# Altium PCB breakout_brd_v0.PcbDoc
Units mil, origin at the board's own origin, x right, y up, seen from the top; angles counter-clockwise.
Board outline 3149.61 x 4300 mil, 2 copper layers (Top Layer, Bottom Layer); 12 components, 35 nets, 173 pads, 112 vias.
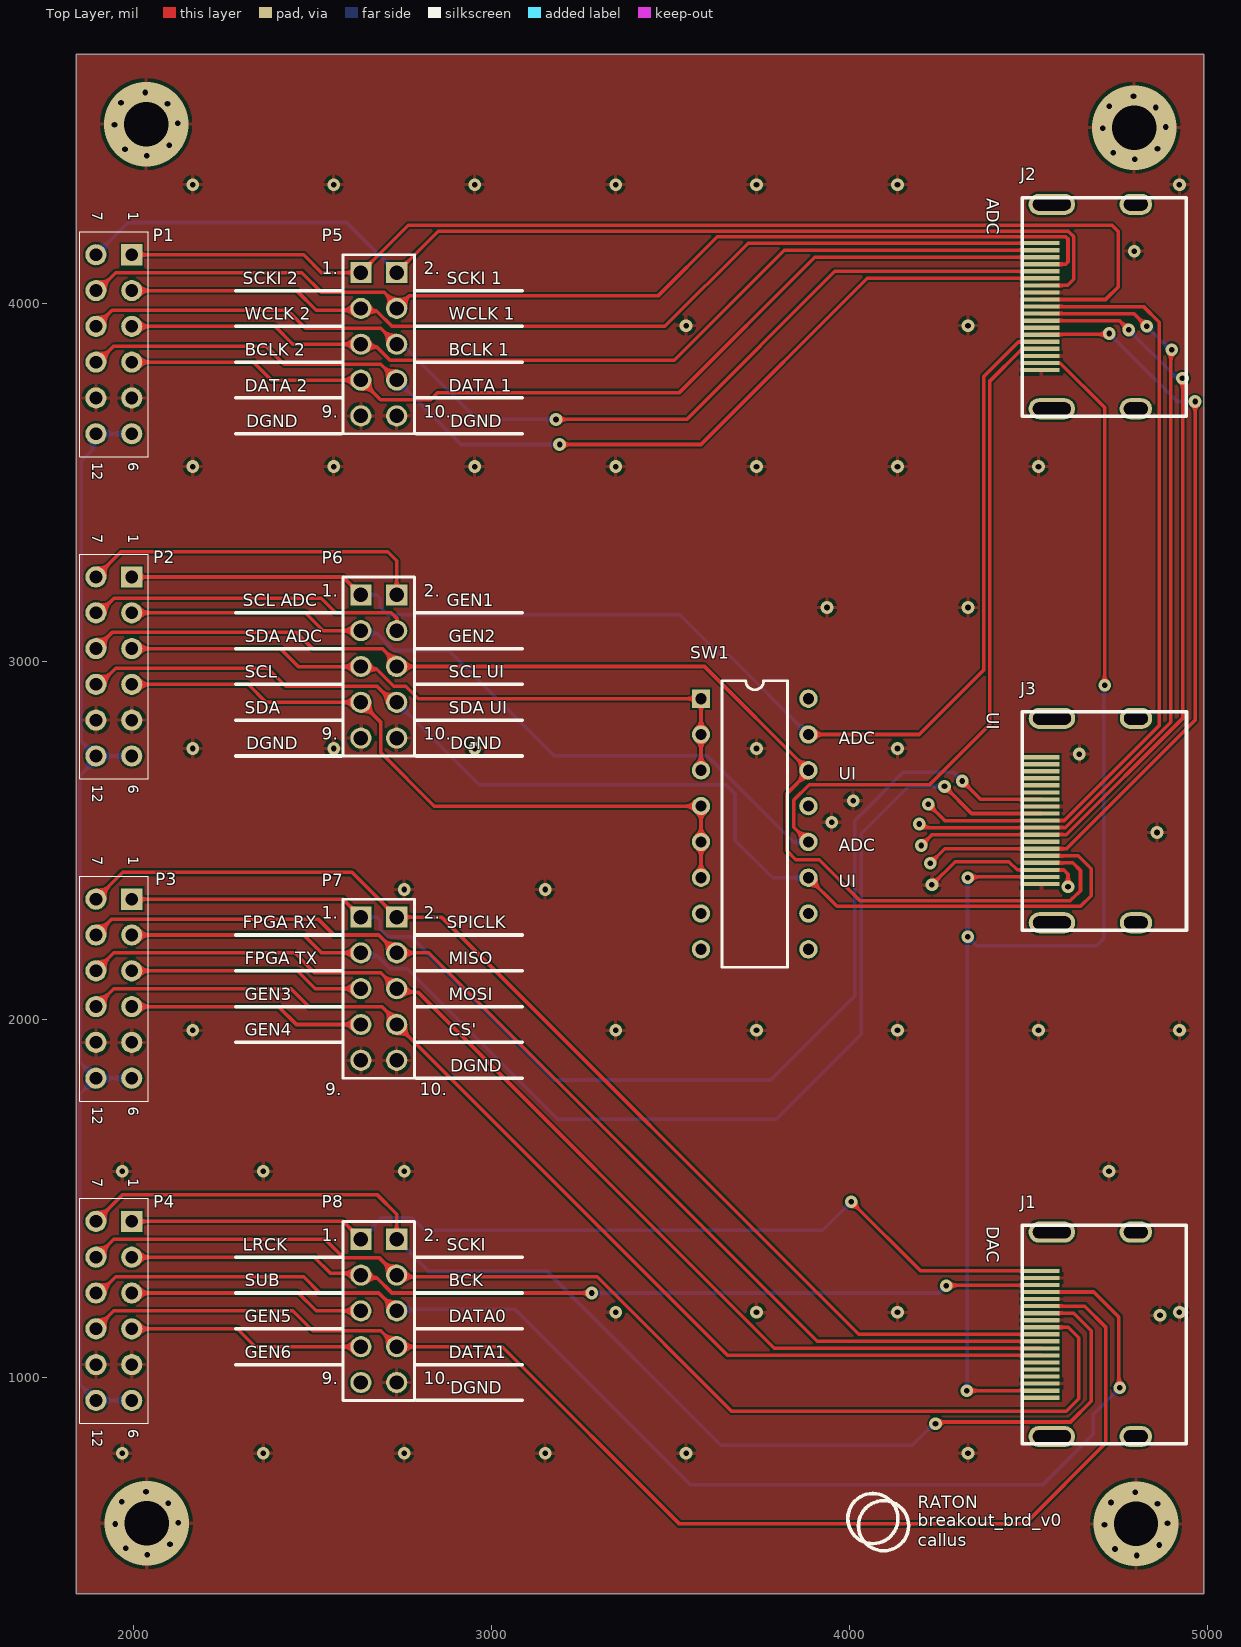
[diagram p0: Top Layer view]
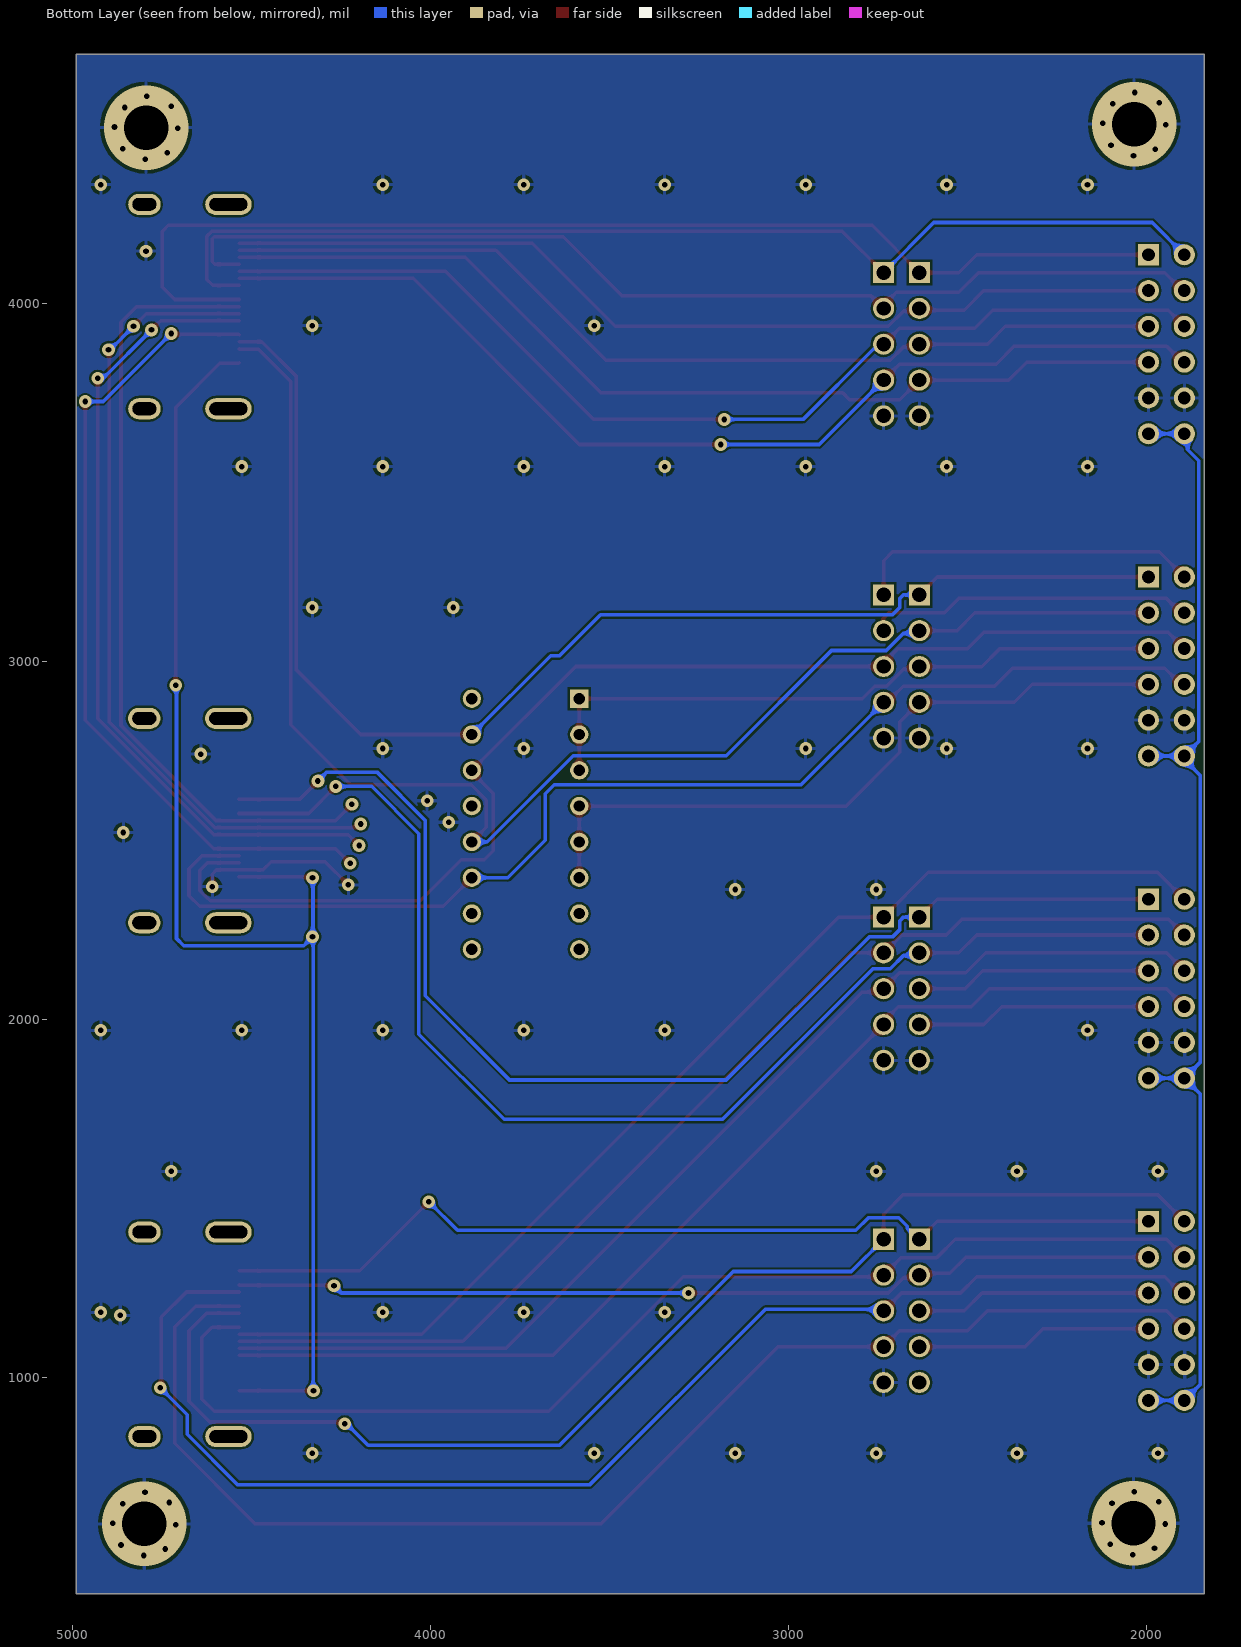
[diagram p1: Bottom Layer view, seen from below]
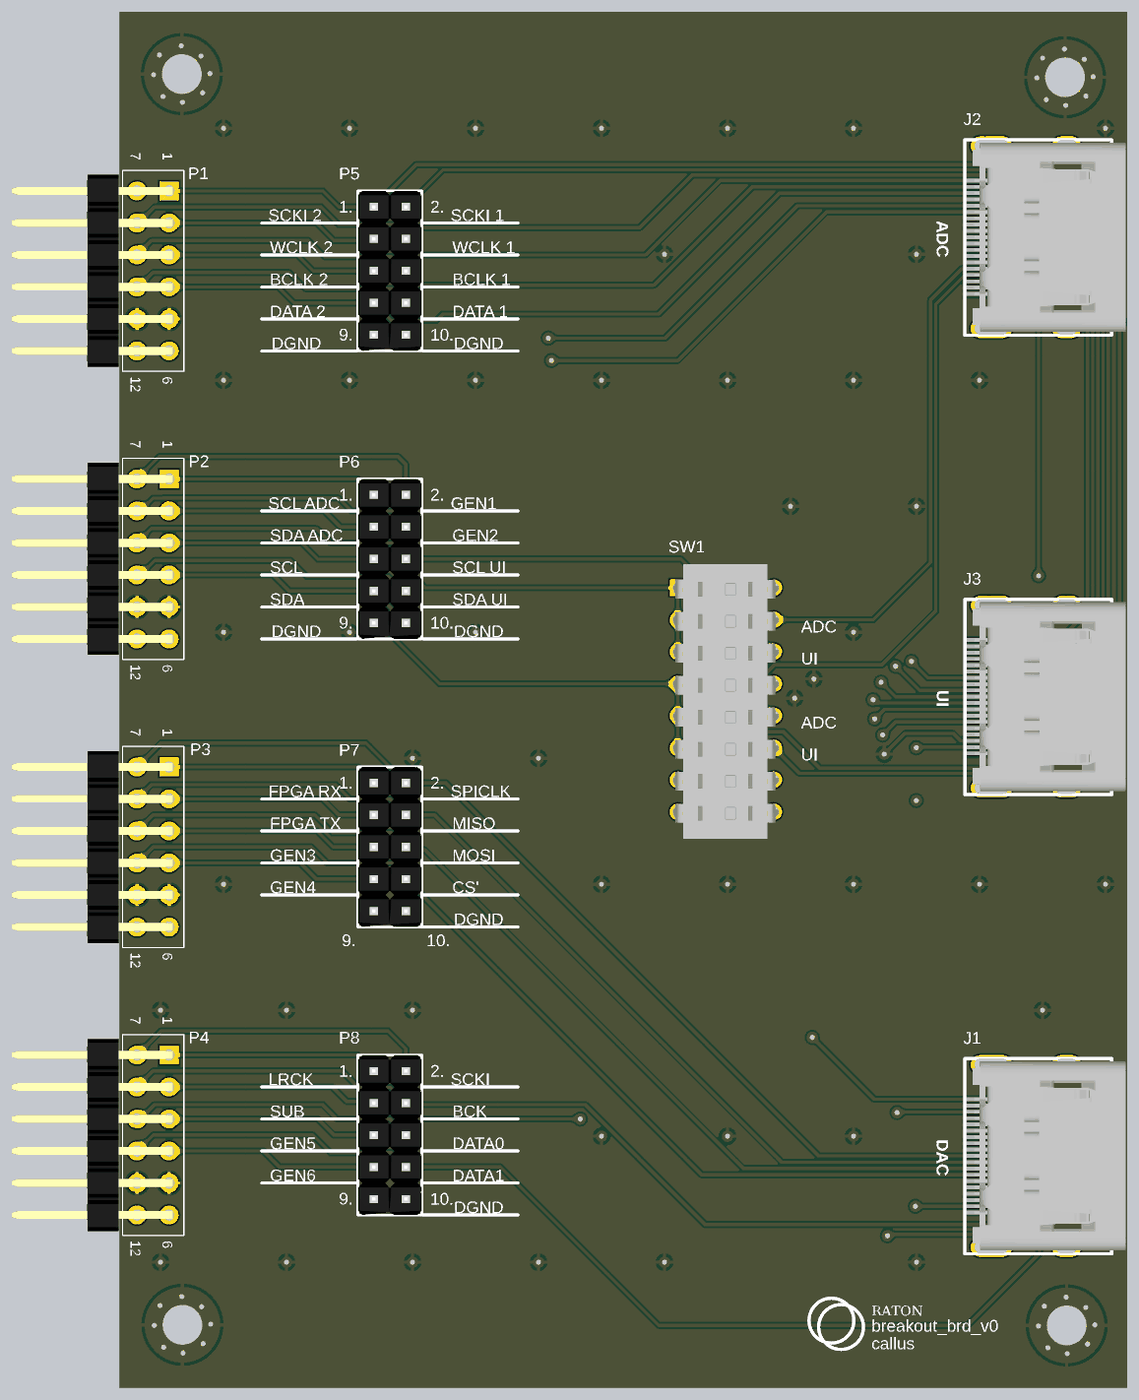
[diagram p2: 3D render of the assembled board from above, using the file's embedded part models]

## Layer stack, top to bottom
Top Solder: solder mask 0.4, Solder Resist, Dk 3.5
Top Layer: signal copper 1.4
Dielectric 1: dielectric 12.6, FR-4, Dk 4.8
Bottom Layer: signal copper 1.4
Bottom Solder: solder mask 0.4, Solder Resist, Dk 3.5

## Board outline
1840,395 1840,4695 4989.61,4695 4989.61,395

## Design rules (kind name [scope] priority, off if disabled: settings)
Clearance [All] p1: gap=6 ignorepadtopadclearanceinfootprint=TRUE except(0: Arc-Hole Track-Hole SMDPad-Hole THPad-Hole Via-Hole Fill-Hole Poly-Hole Region-Hole Text-Hole)
HoleSize [All] p1: absolutevalues=TRUE maxlimit=157.48 minlimit=11.81 maxpercent=80.000 minpercent=20.000
MinimumSolderMaskSliver [All] p1 off: minsoldermaskwidth=10
PolygonConnect [All] p1: connectstyle=Relief reliefconductorwidth=10 reliefentries=4 polygonreliefangle="90 Angle" airgapwidth=10
RoutingVias [All] p1: holewidth=28 width=50 viastyle="Through Hole" minholewidth=28 minwidth=50 maxholewidth=28 maxwidth=50
SilkToSilkClearance [All] p1 off: silktosilkclearance=10
SilkToSolderMaskClearance [IsPad] p1 off: minsilkscreentomaskgap=10 clearancetoexposedcopper=TRUE
SolderMaskExpansion [All] p1: expansion=4 istentingtop=FALSE
Width [All] p1: maxlimit=10 minlimit=10 preferedwidth=10
26 further rules are at their usual default settings.

## Components (designator, comment, footprint, x,y, rotation, side; value= is the part's Value field where it differs from the comment)
J1 "2086581051" 2086581051 4483.82,1119.68 r90 top locked
J2 "2086581051" 2086581051 4483.82,3990.31 r90 top locked
J3 "2086581051" 2086581051 4484.25,2554.57 r90 top locked
P1 "Header 6X2H_Flipped" HDR2X6H_Flipped 1995,4135 r270 top locked
P2 "Header 6X2H_Flipped" HDR2X6H_Flipped 1995,3235 r270 top locked
P3 "Header 6X2H_Flipped" HDR2X6H_Flipped 1995,2335 r270 top locked
P4 "Header 6X2H_Flipped" HDR2X6H_Flipped 1995,1435 r270 top locked
P5 "GENERIC 5x2 PINS HEADER MALE" "GENERIC 5PIN 2ROW HEADER 0" 2635,4085 r0 top locked
P6 "GENERIC 5x2 PINS HEADER MALE" "GENERIC 5PIN 2ROW HEADER 0" 2635,3185 r0 top locked
P7 "GENERIC 5x2 PINS HEADER MALE" "GENERIC 5PIN 2ROW HEADER 0" 2635,2285 r0 top
P8 "GENERIC 5x2 PINS HEADER MALE" "GENERIC 5PIN 2ROW HEADER 0" 2635,1385 r0 top
SW1 "210-8MS" 210-8MS 3585,2895 r0 top locked

## Footprints (in the part's own frame and the unit in brackets; to place one, negate y for a bottom-side part, rotate by r counter-clockwise, add the part's x,y. Pads: shape width x height; smd on the part's side, far side on the other; paste and mask are expansions set on the pad)
210-8MS [mm]
  rect 1.3x1.3 hole 0.8: 1(0,0)
  round 1.3 hole 0.8: 2(0,-2.54) 3(0,-5.08) 4(0,-7.62) 5(0,-10.16) 6(0,-12.7) 7(0,-15.24) 8(0,-17.78) 9(7.62,-17.78) 10(7.62,-15.24) 11(7.62,-12.7) 12(7.62,-10.16) 13(7.62,-7.62) 14(7.62,-5.08) 15(7.62,-2.54) 16(7.62,0)
  silkscreen extent 1.48,-19.05 6.14,1.27, body extent -0.51,-19.92 8.04,1.88, height 5.52
2086581051 [mm]
  rect 0.3x2.6 smd mask+0.05: 1(4.5,-1.3) 2(4,-1.3) 3(3.5,-1.3) 4(3,-1.3) 5(2.5,-1.3) 6(2,-1.3) 7(1.5,-1.3) 8(1,-1.3) 9(0.5,-1.3) 10(0,-1.3) 11(-0.5,-1.3) 12(-1,-1.3) 13(-1.5,-1.3) 14(-2,-1.3) 15(-2.5,-1.3) 16(-3,-1.3) 17(-3.5,-1.3) 18(-4,-1.3) 19(-4.5,-1.3)
  oval 1.5x2.3 hole 0.9 slot 1.7 at 90 deg: ""(-7.25,-8.02) ""(7.25,-8.02)
  oval 1.5x3.3 hole 0.9 slot 2.7 at 90 deg: ""(-7.25,-2.06) ""(7.25,-2.06)
  silkscreen extent -7.77,-11.6 7.72,0.05, body extent -7.5,-12.7 7.5,-0.55, height 6.21
"GENERIC 5PIN 2ROW HEADER 0" [mm] "Male Header, Pitch 2.54mm, 5x2 Position, Mated Height 6mm, Tail Length 3mm"
  rect 1.5x1.5 hole 1.02: 1(0,0) 2(2.54,0)
  round 1.5 hole 1.02: 3(0,-2.54) 4(2.54,-2.54) 5(0,-5.08) 6(2.54,-5.08) 7(0,-7.62) 8(2.54,-7.62) 9(0,-10.16) 10(2.54,-10.16)
  silkscreen extent -1.27,-11.43 3.81,1.27, body extent -1.27,-11.43 3.81,1.27, height 9.5
HDR2X6H_Flipped [mm] "Connector; Header; 6x2 Position; Right Angle"
  rect 1.5x1.5 hole 0.9: 1(0,0)
  round 1.5 hole 0.9: 2(2.54,0) 3(5.08,0) 4(7.62,0) 5(10.16,0) 6(12.7,0) 7(0,-2.54) 8(2.54,-2.54) 9(5.08,-2.54) 10(7.62,-2.54) 11(10.16,-2.54) 12(12.7,-2.54)
  silkscreen extent -1.63,-3.67 14.33,1.17, body extent -1.27,-12.5 13.97,0.38, height 5.04

## Part data
J1 J2 J3: library part 2086581051-2, "CONN FEM SMD 19 90Deg HDMI", Case/Package="4 PIN", Manufacturer=Molex, Supplier Part Number 1=Mouser, Design Item ID=2086581051, Source="Connector Library.SchLib", Status=Active, Supplier 1=Mouser, Type=HYBRID
P1 P2 P3 P4: library part "Header 6X2H_Flipped-1", "Header, 6-Pin, Dual row, Right Angle, Flipped", Case/Package="6 PIN", Design Item ID="Header 6X2H_Flipped", Source="Connector Library.SchLib", Type=TH
P5 P6 P7 P8: library part "GENERIC 5x2 PINS HEADER MALE-2", "CONN MAL TH 5x2 0Deg HEADER", Case/Package="2 PIN", Manufacturer=Generic, Bin=B3-J5, Design Item ID="GENERIC 5x2 PINS HEADER MALE", Source="Connector Library.SchLib", Status=Active, Type=TH
SW1: library part 210-8MS-2, "SWITCH DIP SMD SPST 8 100mA 50V", Case/Package="16 PDIP", Manufacturer="C&K Components", Supplier Part Number 1=774-2108MS, Design Item ID=210-8MS, Source="Switches Library.SchLib", Status=Active, Supplier 1=Mouser, Type=TH

## Via types
v1: diameter 35.43, hole 15.75, Top Layer to Bottom Layer, tented both sides, 108 vias
v2: diameter 236.22, hole 124.02, Top Layer to Bottom Layer, tented both sides, 4 vias

## Nets (pads, with @x,y where several pads share a name; then routed paths per layer and width w, separated by ;. In a path a pad name is that pad's centre, name@x,y a point inside that pad or via, vN(x,y) a via of type N, cw(c..) or ccw(c..) an arc to the next point about the centre after c; other vN are vias at no path point)
3V3: J1.18 J2.18 J3.18 | length 4128.1
  Top Layer w10: v1@4325,960 v1(4327.2,962.2) J1.18 ; v1(4330,2395) 4332.09,2397.09 J3.18 ; J2.18 4535.91,3831.93 4588.86,3831.93 4712.3,3708.49 v1(4712.3,2932.37)
  Bottom Layer w10: v1(4327.2,962.2) 4328.6,963.6 4328.6,2393.6 v1(4330,2395) v1(4330,2230) 4355,2205 4690,2205 4710,2225 4710,2930.07 v1(4712.3,2932.37)
BCK: J1.9 P4.8 P8.4 | length 3266.2
  Top Layer w10: P4.8 1945,1385 2535,1385 2586.02,1333.98 2685.75,1333.98 2734.74,1285 P8.4 2740,1280 3295,1280 3670,905 4605,905 4640,940 4640,1110 4610.63,1139.37 J1.9
BCLK_1: J2.5 P1.9 P5.6 | length 2956.4
  Top Layer w10: P1.9 1940,3980 2430,3980 2480.47,3929.53 2690.47,3929.53 P5.6 ; v1(3180,3675) 3545,3675 3958.74,4088.74 J2.5
  Bottom Layer w10: P5.6 2748.27,3885 2762.26,3871.01 2763.99,3871.01 2960,3675 v1(3180,3675)
BCLK_2: J2.2 P1.3 P5.5 | length 2706.5
  Top Layer w10: P1.3 2395,3935 2445,3885 P5.5 2642.5,3877.5 2679.53,3877.5 2716.56,3840.47 3510.47,3840.47 3817.8,4147.8 J2.2
CS': J1.13 P3.10 P7.8 | length 3090.4
  Top Layer w10: P3.10 1945,2085 2440,2085 2490,2035 2694.14,2035 2735,1994.14 P7.8 3659.37,1060.63 J1.13
DATA0: J1.4 P4.9 P8.6 | length 3711.5
  Top Layer w10: P4.9 1905,1235 1950,1280 2475,1280 2520,1235 2685,1235 P8.6 ; J1.4 4682.2,1237.8 4752.24,1167.76 4752.24,972.76 v1(4755,970)
  Bottom Layer w10: P8.6 2739.14,1189.14 3065.86,1189.14 3555,700 4540,700 4680.07,840.07 4680.07,895.07 v1(4755,970)
DATA1: J1.6 P4.10 P8.8 | length 3709.6
  Top Layer w10: P4.10 1945,1185 2445,1185 2500.47,1129.53 2690.47,1129.53 P8.8 3030,1085 3525,590 4490,590 4715,815 4715,1140 4656.57,1198.43 J1.6
DATA_1: J2.6 P1.10 P5.8 | length 2964.8
  Top Layer w10: P1.10 1900,3835 1945,3880 2370,3880 2420.47,3829.53 2690.47,3829.53 P5.8 ; v1(3190,3605) 3585,3605 4049.06,4069.06 J2.6
  Bottom Layer w10: P5.8 2915,3605 v1(3190,3605)
DATA_2: J2.3 P1.4 P5.7 | length 2748.4
  Top Layer w10: P1.4 2335,3835 2385,3785 P5.7 2690,3730 2830,3730 2850,3750 3525,3750 3903.11,4128.11 J2.3
DGND: J1.2 J1.5 J1.8 J1.17 J2.8 J2.17 J2.19 J3.8 J3.17 J3.19 P1.5 P1.11 P2.5 P2.11 P3.5 P3.11 P4.5 P4.11 P5.9 P5.10 P6.9 P6.10 P7.9 P7.10 P8.10 | length 456.4
  Top Layer w10: v1(4230,2375) 4295,2440 4445,2440 4468.23,2416.77 J3.17 4598.23,2416.77 4610,2405 v1(4610,2370)
  other v1: 4801.85,501.85 2038.7,503.7 4741.3,520 1978.15,521.85 4865,531.3 2101.85,533.15 4711.85,588.15 1948.7,590 4888.15,591.85 2125,593.7 4860,646.3 2096.85,648.15 4730,650 1966.85,651.85 4798.15,678.15 2035,680 1968.5,787.4 2362.2,787.4 2755.91,787.4 3149.61,787.4 3543.31,787.4 4330.71,787.4 4867.11,1172.68 3346.46,1181.1 3740.16,1181.1 4133.86,1181.1 4921.26,1181.1 1968.5,1574.8 2362.2,1574.8 2755.91,1574.8 4724.41,1574.8 2165.35,1968.5 3346.46,1968.5 3740.16,1968.5 4133.86,1968.5 4527.56,1968.5 4921.26,1968.5 2755.91,2362.2 3149.61,2362.2 4858.54,2521.26 3950,2550 4010,2610 4641.86,2740.32 2165.35,2755.91 2559.06,2755.91 2952.76,2755.91 3740.16,2755.91 4133.86,2755.91 3937.01,3149.61 4330.71,3149.61 2165.35,3543.31 2559.06,3543.31 2952.76,3543.31 3346.46,3543.31 3740.16,3543.31 4133.86,3543.31 4527.56,3543.31 3543.31,3937.01 4330.71,3937.01 4795,4145 2165.35,4330.71 2559.06,4330.71 2952.76,4330.71 3346.46,4330.71 3740.16,4330.71 4133.86,4330.71 4921.26,4330.71 4796.85,4401.85 2036.85,4411.85 4736.3,4420 1976.3,4430 4860,4431.3 2100,4441.3 4706.85,4488.15 4883.15,4491.85 1946.85,4498.15 2123.15,4501.85 4855,4546.3 4725,4550 2095,4556.3 1965,4560 4793.15,4578.15 2033.15,4588.15
  other v2: 4800,590 2036.85,591.85 4795,4490 2035,4500
FPGA_3V3: P1.6 P1.12 P2.6 P2.12 P3.6 P3.12 P4.6 P4.12 | length 3208.1
  Bottom Layer w10: P4.6 P4.12 1850,980 1850,1790 P3.12 ; P3.6 P3.12 ; P2.6 P2.12 ; P1.6 P1.12 1885.61,3625.61 1885.61,3590.61 1854.47,3559.47 1854.47,2775.53 P2.12 ; P3.12 1850,1880 1850,2680 1895,2725 P2.12
FPGA_RX: J3.7 P3.1 P7.1 | length 3439
  Top Layer w10: P3.1 2585,2335 P7.1 ; v1(4315,2665) 4366.38,2613.62 J3.7
  Bottom Layer w10: P7.1 2679.53,2285 2689.39,2275.13 2689.39,2250.34 2710.2,2229.53 2775.47,2229.53 3175,1830 3780,1830 4015,2065 4015,2555 4150,2690 4290,2690 v1(4315,2665)
FPGA_TX: J3.9 P3.2 P7.3 | length 3498.4
  Top Layer w10: P3.2 2475,2235 2525,2185 P7.3 ; v1(4265,2650) 4340.75,2574.25 J3.9
  Bottom Layer w10: P7.3 2642.5,2177.5 2679.53,2177.5 2716.72,2140.31 2764.69,2140.31 3185,1720 3795,1720 4033,1958 4033,2518 4165,2650 v1(4265,2650)
GEN1: P2.7 P6.2 | length 974.4
  Top Layer w10: P2.7 1965,3305 2710,3305 2735,3280 P6.2
GEN2: P2.8 P6.4 | length 915.5
  Top Layer w10: P2.8 1905,3135 1945,3175 1977.69,3175 1978.21,3175.53 2524.47,3175.53 2565,3135 2720,3135 2735.86,3119.14 2735.86,3085.86 P6.4
GEN3: P3.3 P7.5 | length 660.7
  Top Layer w10: P3.3 2457.63,2135 2507.63,2085 P7.5
GEN4: P3.4 P7.7 | length 660.7
  Top Layer w10: P3.4 2405,2035 2455,1985 P7.7
GEN5: P4.3 P8.5 | length 660.7
  Top Layer w10: P4.3 2460,1235 2510,1185 P8.5
GEN6: P4.4 P8.7 | length 660.7
  Top Layer w10: P4.4 2290,1135 2340,1085 P8.7
LRCK: J1.1 P4.1 P8.1 | length 2717.3
  Top Layer w10: P4.1 2585,1435 P8.1 ; v1(4005,1490) 4198.15,1296.85 J1.1
  Bottom Layer w10: P8.1 2659.53,1409.53 2662.84,1409.53 2668.69,1415.39 2668.69,1421.59 2692.63,1445.53 2777.37,1445.53 2812.9,1410 3925,1410 v1(4005,1490)
MISO: J1.11 P3.8 P7.4 | length 3147
  Top Layer w10: P3.8 1939.53,2279.53 2515.47,2279.53 2560,2235 2685,2235 P7.4 2825,2185 3910,1100 J1.11
MOSI: J1.12 P3.9 P7.6 | length 3118.3
  Top Layer w10: P3.9 1945,2185 2450,2185 2505.47,2129.53 2690.47,2129.53 2744.39,2075.61 2794.39,2075.61 3789.68,1080.32 J1.12
SCKI: J1.7 P4.7 P8.2 | length 3550.4
  Top Layer w10: P4.7 1970,1510 2680,1510 2735,1455 P8.2 ; v1(4240,870) 4244.78,874.78 4617.14,874.78 4675,932.64 4675,1130 4626.26,1178.74 J1.7
  Bottom Layer w10: P8.2 2825,1295 3155,1295 3640,810 4175,810 4235,870 v1(4240,870)
SCKI_1: J2.7 P1.7 P5.2 | length 3098.2
  Top Layer w10: P5.2 2851,4201 4610.77,4201 4626,4185.77 4626,4066.23 4609.14,4049.37 J2.7
  Bottom Layer w10: P1.7 1985,4225 2595,4225 P5.2
SCKI_2: J2.9 P1.1 P5.1 | length 3221.9
  Top Layer w10: P1.1 2475,4135 2525,4085 P5.1 2767,4217 4733,4217 4750,4200 4750,4045 4715,4010 J2.9
SCL: P2.3 P6.5 SW1.1 SW1.2 SW1.3 | length 1848
  Top Layer w10: P2.3 2410,3035 2460.86,2984.14 2634.14,2984.14 2640.78,2977.5 2679.53,2977.5 2727.03,2930 2760,2930 2795,2895 SW1.1 SW1.2 SW1.3
SCL_ADC: J2.15 P2.1 P6.1 SW1.15 | length 3671.5
  Top Layer w10: P2.1 2585,3235 P6.1 ; SW1.15 4195,2795 4375,2975 4375,3795 4471.89,3891.89 J2.15
  Bottom Layer w10: P6.1 2679.53,3185 2689.39,3175.13 2689.39,3150.34 2710.2,3129.53 3525.47,3129.53 3640,3015 3665,3015 SW1.15
SCL_UI: J3.16 P2.9 P6.6 SW1.14 | length 3487.6
  Top Layer w10: P2.9 1940,3080 2455,3080 2500,3035 2695,3035 2735,2995 P6.6 3595,2985 SW1.14 3885,2690 3825,2630 3825,2470 3850,2445 3915,2445 4029,2331 4616,2331 4622.28,2337.28 4623.55,2337.28 4645,2358.73 4645,2415 4623.54,2436.46 J3.16
SDA: P2.4 P6.7 SW1.4 SW1.5 SW1.6 | length 1980.6
  Top Layer w10: P2.4 2320,2935 2370,2885 P6.7 2690,2830 2690,2745 2840,2595 SW1.4 SW1.5 SW1.6
SDA_ADC: J2.16 P2.2 P6.3 SW1.12 | length 4063.1
  Top Layer w10: P2.2 2480,3135 2530,3085 P6.3 ; SW1.12 3844.41,2535.59 3844.41,2611.81 3887.01,2654.41 4223.14,2654.41 4391,2822.27 4391,3781.16 4481.14,3871.3 4534.09,3871.3 J2.16
  Bottom Layer w10: P6.3 2642.5,3077.5 2679.53,3077.5 2727.5,3029.53 2880.47,3029.53 3174.41,2735.59 3601.81,2735.59 3842.4,2495 SW1.12
SDA_UI: J3.15 P2.10 P6.8 SW1.11 | length 3391.7
  Top Layer w10: P2.10 1905,2935 1950,2980 2375,2980 2425,2930 2680,2930 2725,2885 P6.8 ; SW1.11 3965,2315 4645,2315 4675,2345 4675,2420 4638.86,2456.14 J3.15
  Bottom Layer w10: P6.8 2965.59,2654.41 3654.73,2654.41 3680,2629.14 3680,2500 3785,2395 SW1.11
SPICLK: J1.10 P3.7 P7.2 | length 3205.5
  Top Layer w10: P3.7 1970,2410 2610,2410 P7.2 2860,2285 4025.32,1119.68 J1.10
SUB: J1.3 P4.2 P8.3 | length 2590.7
  Top Layer w10: P4.2 2505,1335 2550,1290 2630,1290 P8.3 2642.5,1277.5 2679.53,1277.5 2722.03,1235 v1(3280,1235) ; v1(4270,1255) 4271.57,1256.57 4534.09,1256.57 J1.3
  Bottom Layer w10: v1(3280,1235) 4250,1235 v1(4270,1255)
WCLK_1: J2.4 P1.8 P5.4 | length 3010.1
  Top Layer w10: P1.8 1900,4035 1950,4085 2470,4085 2525,4030 2700,4030 2735,3995 P5.4 2770,4020 3465,4020 3630,4185 4604.14,4185 4610,4179.14 4610,4115 4603.43,4108.43 J2.4
WCLK_2: J2.1 P1.2 P5.3 | length 2677.7
  Top Layer w10: P1.2 2455,4035 2510,3980 2630,3980 2632.5,3977.5 2679.53,3977.5 2722.03,3935 3484.16,3935 3716.64,4167.48 J2.1
pads on no net: J1. J1.14 J1.15 J1.16 J1.19 J2. J2.10 J2.11 J2.12 J2.13 J2.14 J3. J3.1 J3.2 J3.3 J3.4 J3.5 J3.6 J3.10 J3.11 J3.12 J3.13 J3.14 P8.9 SW1.7 SW1.8 SW1.9 SW1.10 SW1.13 SW1.16
copper on no net: | length 9119.7
  Top Layer w10: v1(4195,2545) 4205.12,2534.88 4535.43,2534.88 4602.53,2534.88 4897.28,2829.63 4897.28,3867.28 v1(4900,3870) ; v1(4200,2485) 4230.2,2515.2 4535.43,2515.2 4605.48,2515.2 4930,2839.72 v1(4930,3790) ; v1(4220,2600) 4265.43,2554.57 4535.43,2554.57 4599.59,2554.57 4865,2819.98 4865,3946.27 4820.95,3990.31 4535,3990.31 ; v1(4225,2435) 4265.83,2475.83 4535.43,2475.83 4605.83,2475.83 4965,2835 v1(4965,3725) ; 4535,3911.57 4535.91,3912.48 4722.48,3912.48 v1(4725,3915) ; 4535,3950.94 4754.06,3950.94 v1(4780,3925) ; 4535,3970.63 4794.37,3970.63 v1(4830,3935)
  Bottom Layer w10: v1(4725,3915) 4915,3725 v1(4965,3725) ; v1(4780,3925) 4915,3790 v1(4930,3790) ; v1(4830,3935) 4895,3870 v1(4900,3870)

## Polygon pours and split planes (outlines as drawn)
DGND on Bottom Layer "Bottom Layer-DGND" (solid, pour order 0): 1840,4695 4990,4695 4990,395 1840,395
DGND on Top Layer "Top Layer-No Net" (solid, pour order 2): 1840,4695 4990,4695 4990,395 1840,395

## Silkscreen, mask and mechanical layers (free items; w line width, h text height)
Top Overlay:
  circle w10: c4095,585 r70
  circle w10: c4065,605 r70
  lines w10: 2285,1035 2580,1035 ; 2285,1135 2580,1135 ; 2285,1235 2580,1235 ; 2285,1335 2580,1335 ; 2285,1935 2580,1935 ; 2285,2035 2580,2035 ; 2285,2135 2580,2135 ; 2285,2235 2580,2235 ; 2285,2735 2580,2735 ; 2285,2835 2580,2835 ; 2285,2935 2580,2935 ; 2285,3035 2580,3035 ; 2285,3135 2580,3135 ; 2285,3635 2580,3635 ; 2285,3735 2580,3735 ; 2285,3835 2580,3835 ; 2285,3935 2580,3935 ; 2285,4035 2580,4035 ; 2790,935 3085,935 ; 2790,1035 3085,1035 ; 2790,1135 3085,1135 ; 2790,1235 3085,1235 ; 2790,1335 3085,1335 ; 2790,1835 3085,1835 ; 2790,1935 3085,1935 ; 2790,2035 3085,2035 ; 2790,2135 3085,2135 ; 2790,2235 3085,2235 ; 2790,2735 3085,2735 ; 2790,2835 3085,2835 ; 2790,2935 3085,2935 ; 2790,3035 3085,3035 ; 2790,3135 3085,3135 ; 2790,3635 3085,3635 ; 2790,3735 3085,3735 ; 2790,3835 3085,3835 ; 2790,3935 3085,3935 ; 2790,4035 3085,4035
  text "ADC" at 4370,4292.5 h60 r270
  text "SCKI 2" at 2305,4040.67 h60
  text "SCKI 1" at 2875,4040.67 h60
  text "WCLK 2" at 2310,3940.67 h60
  text "WCLK 1" at 2880,3940.67 h60
  text "BCLK 2" at 2310,3840.67 h60
  text "BCLK 1" at 2880,3840.67 h60
  text "DATA 2" at 2310,3740 h60
  text "DATA 1" at 2880,3740 h60
  text "DGND" at 2315,3640.67 h60
  text "DGND" at 2885,3640.67 h60
  text "SCL ADC" at 2305,3140.67 h60
  text "GEN1" at 2875,3140.67 h60
  text "SDA ADC" at 2310,3040.67 h60
  text "GEN2" at 2880,3040.67 h60
  text "SCL" at 2310,2940.67 h60
  text "SCL UI" at 2880,2940.67 h60
  text "UI" at 4370.43,2856.75 h60 r270
  text "SDA" at 2310,2840.67 h60
  text "SDA UI" at 2880,2840.67 h60
  text "ADC" at 3970,2755.67 h60
  text "DGND" at 2315,2740.67 h60
  text "DGND" at 2885,2740.67 h60
  text "UI" at 3970,2655.67 h60
  text "ADC" at 3970,2455.67 h60
  text "UI" at 3970,2355.67 h60
  text "FPGA RX" at 2305,2240.67 h60
  text "SPICLK" at 2875,2240.67 h60
  text "FPGA TX" at 2310,2140.67 h60
  text "MISO" at 2880,2140.67 h60
  text "GEN3" at 2310,2040.67 h60
  text "MOSI" at 2880,2040.67 h60
  text "GEN4" at 2310,1940.67 h60
  text "CS'" at 2880,1940.67 h60
  text "DGND" at 2885,1840.67 h60
  text "DAC" at 4370,1421.87 h60 r270
  text "LRCK" at 2305,1340.67 h60
  text "SCKI" at 2875,1340.67 h60
  text "SUB" at 2310,1240.67 h60
  text "BCK" at 2880,1240.67 h60
  text "GEN5" at 2310,1140.67 h60
  text "DATA0" at 2880,1140.67 h60
  text "GEN6" at 2310,1040.67 h60
  text "DATA1" at 2880,1040 h60
  text "DGND" at 2885,940.67 h60
  text "RATON" at 4190,620.83 h60
  text "breakout_brd_v0" at 4190,570.66 h60
  text "callus" at 4190,515.61 h60
Outline (Board):
  the board outline again, w47.24
Top 3D Body (Mech13):
  lines w10: 3380,2545 3415,2545 ; 3415,2510 3415,2545 ; 3415,2580 3415,2545 ; 3450,2545 3415,2545

## Text inside footprints (layer, text, board x,y; h text height)
P1: Top Overlay "12" at 1875,3555 h50 r270; Top Overlay "6" at 1975,3555 h50 r270; Top Overlay "1" at 1975,4255 h50 r270; Top Overlay "7" at 1875,4255 h50 r270
P2: Top Overlay "12" at 1875,2655 h50 r270; Top Overlay "6" at 1975,2655 h50 r270; Top Overlay "1" at 1975,3355 h50 r270; Top Overlay "7" at 1875,3355 h50 r270
P3: Top Overlay "12" at 1875,1755 h50 r270; Top Overlay "6" at 1975,1755 h50 r270; Top Overlay "1" at 1975,2455 h50 r270; Top Overlay "7" at 1875,2455 h50 r270
P4: Top Overlay "12" at 1875,855 h50 r270; Top Overlay "6" at 1975,855 h50 r270; Top Overlay "1" at 1975,1555 h50 r270; Top Overlay "7" at 1875,1555 h50 r270
P5: Top Overlay "1." at 2525.75,4067.28 h60; Top Overlay "2." at 2811.18,4067.28 h60; Top Overlay "9." at 2525.75,3667.68 h60; Top Overlay "10." at 2811.18,3667.28 h60
P6: Top Overlay "1." at 2525.75,3167.28 h60; Top Overlay "2." at 2811.18,3167.28 h60; Top Overlay "9." at 2525.75,2767.68 h60; Top Overlay "10." at 2811.18,2767.28 h60
P7: Top Overlay "1." at 2525.75,2267.28 h60; Top Overlay "2." at 2811.18,2267.28 h60; Top Overlay "9." at 2535,1775 h60; Top Overlay "10." at 2800,1775 h60
P8: Top Overlay "1." at 2525.75,1367.28 h60; Top Overlay "2." at 2811.18,1367.28 h60; Top Overlay "9." at 2525.75,967.68 h60; Top Overlay "10." at 2811.18,967.28 h60